# Altium PCB ZYNQ7010_AD9363.PcbDoc (part 6 of 6)
Units mil, origin at the board's own origin, x right, y up, seen from the top; angles counter-clockwise.
Board outline 2907.03 x 3814.03 mil, 4 copper layers (Top Layer, Mid-Layer 1, Mid-Layer 2, Bottom Layer); 298 components, 279 nets, 1517 pads, 915 vias.
Unrouted connection lines stored in the file: 236.
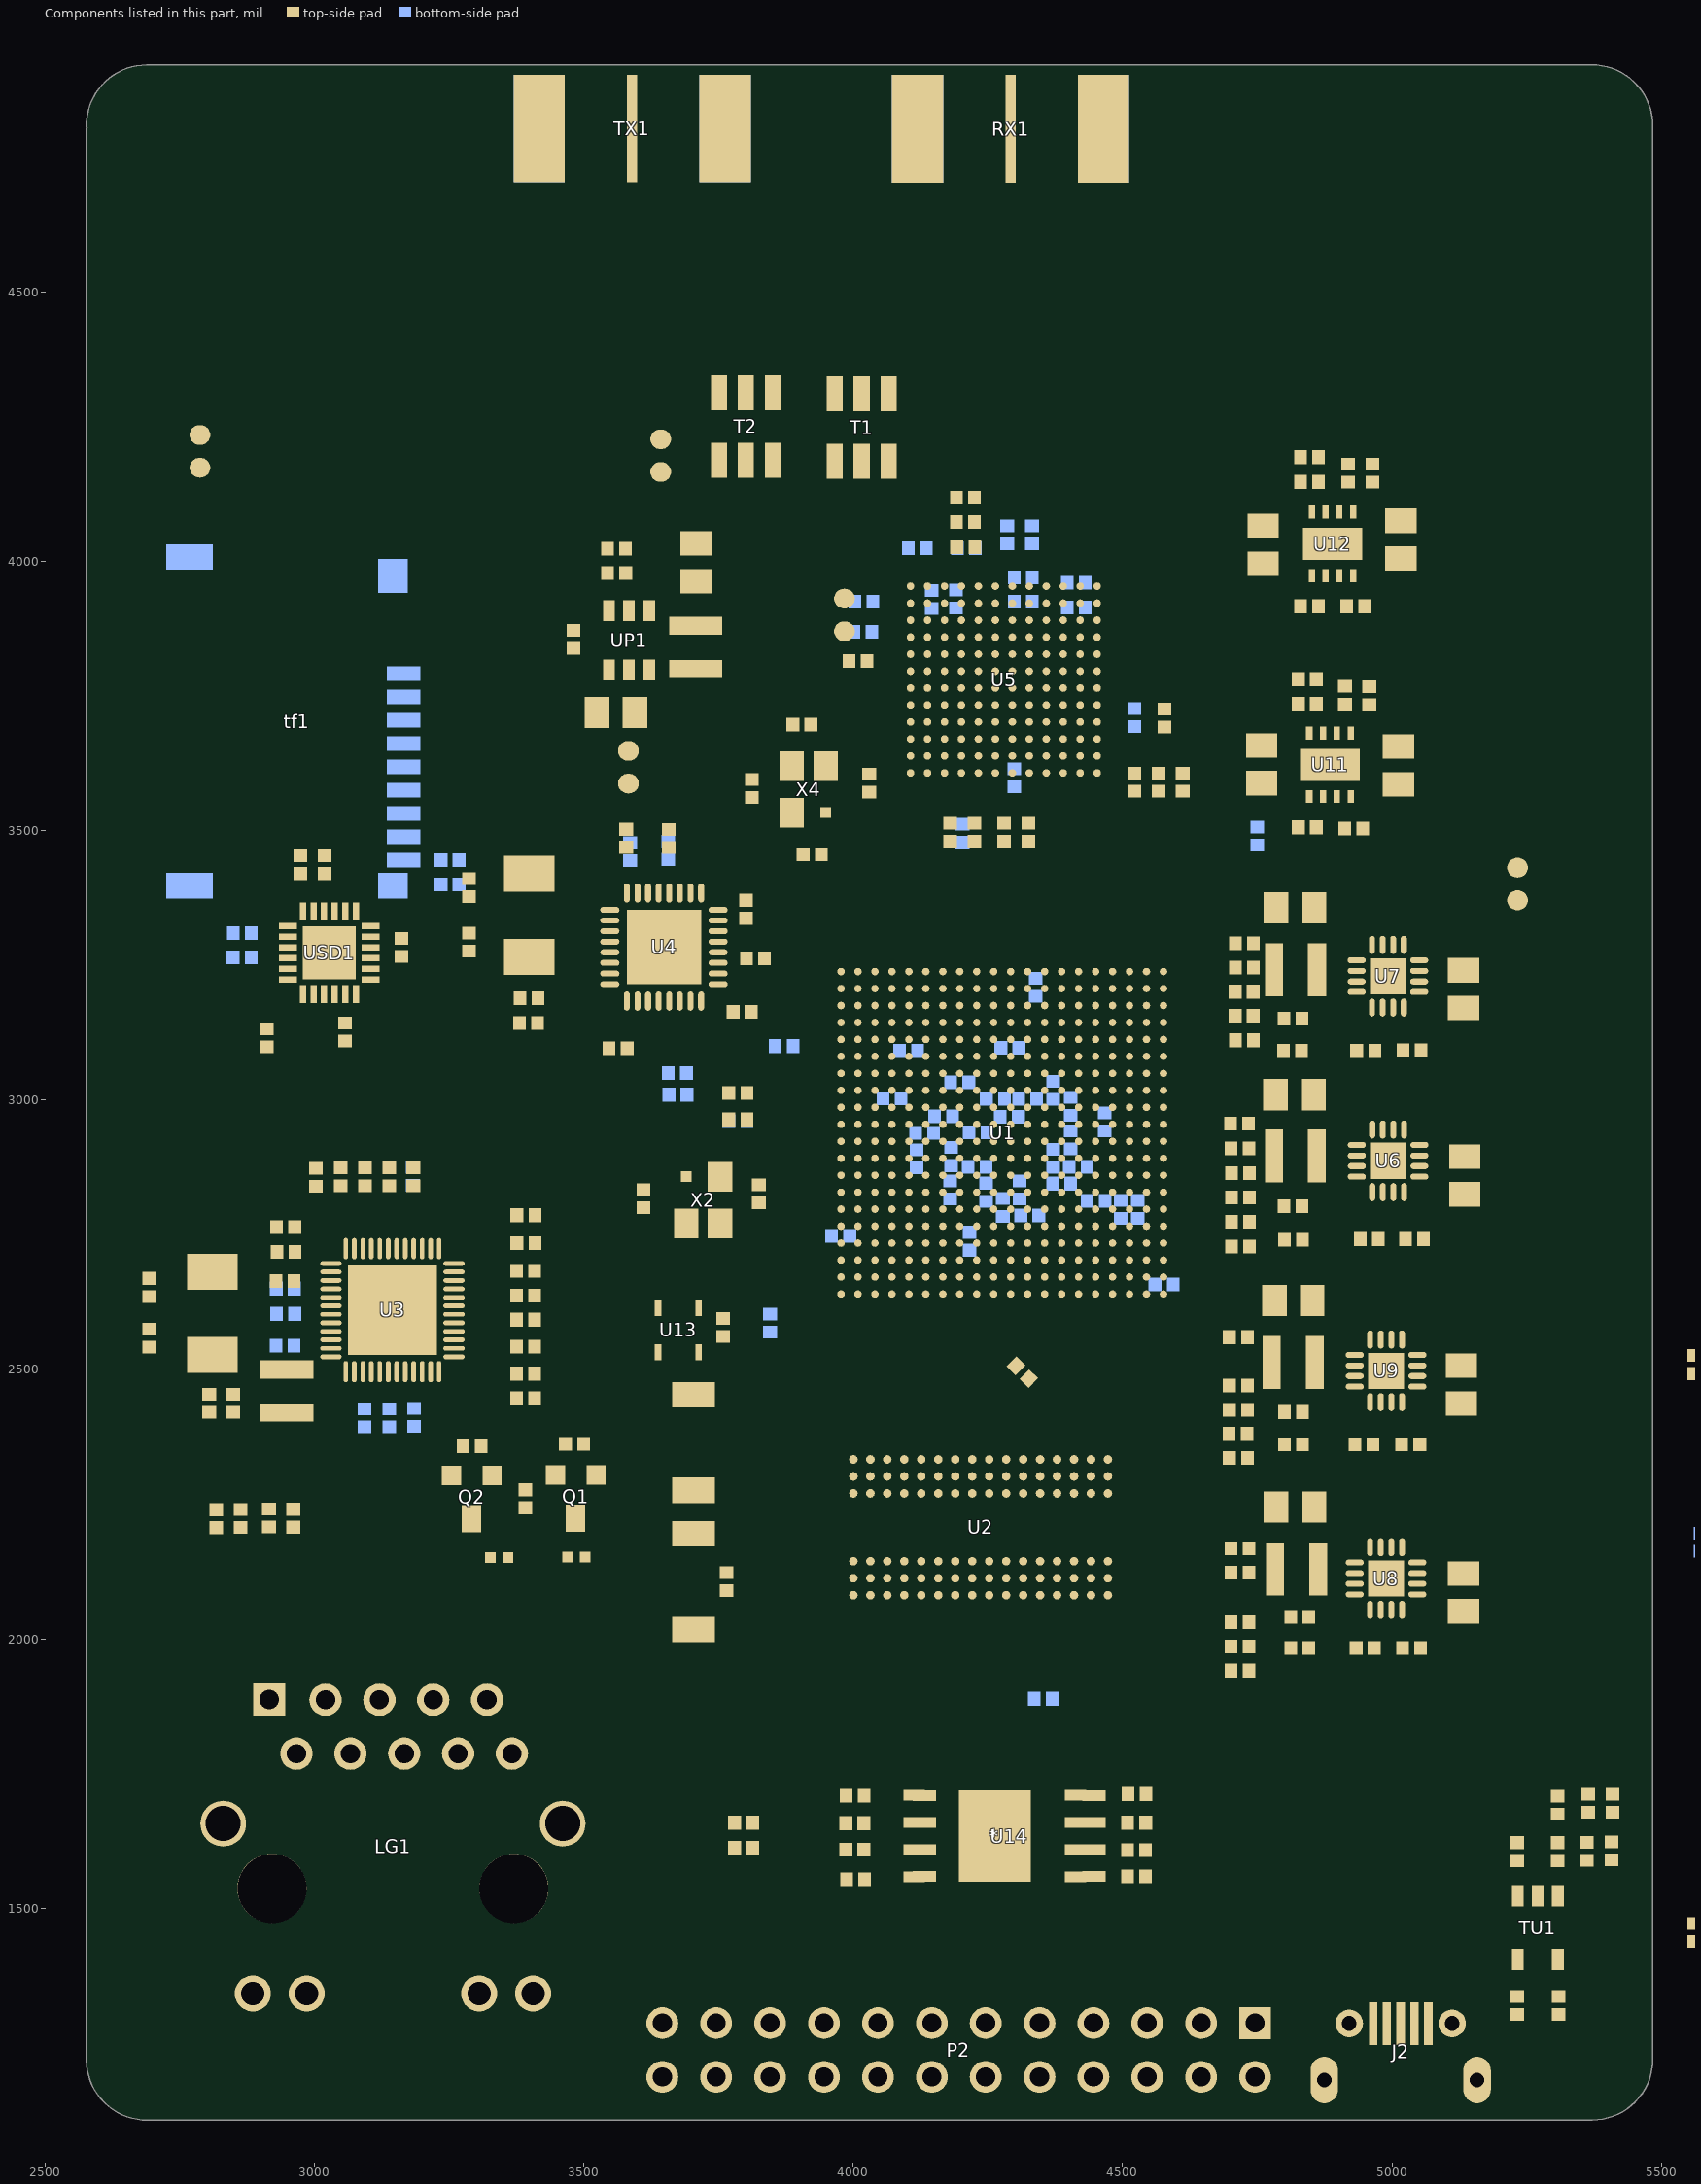
[diagram p8: the components of this part, seen from the top]

## Silkscreen, mask and mechanical layers (free items; w line width, h text height)
Top Overlay:
  lines w3: 4525,1417 4525,1481 4693,1481 4693,1417 ; 4610,1353 4442,1353 4442,1417 4610,1417 ; 4610,1353 4610,1417 ; 4610,1353 4778,1353 4778,1417 4610,1417
  lines w6: 4518,2349 4518,2604
  lines w10: 3285.2,2451.2 3352.61,2451.2
  text "ZYNQ+AD9363 SDR" at 3139,4697 h60 r270
  text "Designed by 薛定谔的猫" at 2959.8,4696 h100 r270
  text "1.3V_B" at 5210.87,3969 h80 r90
  text "1.3V_A" at 5208.87,3573 h80 r90
  text "1.8V" at 5280.07,3131 h80 r90
  text "1.0V" at 5280.11,2782 h80 r90
  text "3.3V" at 5279.11,2391 h80 r90
  text "1.5V" at 5280.11,2011 h80 r90
  text "QSPI" at 4564,1434 h30
  text "JTAG" at 4471,1370 h30
  text "SD" at 4674,1370 h30
  text "RXD" at 3764,1359 h30 r90
  text "TXD" at 3661,1358 h30 r90
  text "TCK" at 3861,1358 h30 r90
  text "TDI" at 4057,1357 h30 r90
  text "TDO" at 4160,1357 h30 r90
  text "3V3" at 4260,1357 h30 r90
  text "GND" at 4362,1357 h30 r90
  text "TMS" at 3958,1356 h30 r90
Top Solder:
  lines w19: 3590,4803 3590,4599.28 ccw(c3658.28,4599.28) 3610,4551 ccw(c3660.7,4601.7) 3660.7,4530 3737.58,4530 cw(c3737.58,4430) 3808.29,4500.71 3821.71,4487.29 cw(c3751,4416.58) 3851,4416.58 3851,4312.51 ; 4066,4311 4066,4399.58 cw(c4166,4399.58) 4095.29,4470.29 4102.71,4477.71 cw(c4173.42,4407) 4173.42,4507 4216.13,4507 ccw(c4216.13,4571.87) 4262,4526 4262.71,4526.71 ccw(c4192,4597.42) 4292,4597.42 4292,4802.5
  lines w60: 3590,4803 3590,4599.28 ccw(c3658.28,4599.28) 3610,4551 ccw(c3660.7,4601.7) 3660.7,4530 3737.58,4530 cw(c3737.58,4430) 3808.29,4500.71 3821.71,4487.29 cw(c3751,4416.58) 3851,4416.58 3851,4312.51 ; 4067.29,4308.93 4067.29,4397.51 cw(c4167.29,4397.51) 4096.58,4468.22 4104,4475.64 cw(c4174.71,4404.93) 4174.71,4504.93 4217.42,4504.93 ccw(c4217.42,4569.8) 4263.29,4523.93 4264,4524.64 ccw(c4193.29,4595.35) 4293.29,4595.35 4293.29,4800.43
Mechanical 1:
  lines w6: 2580,4795 2580,4807 cw(c2690,4808) 2689,4918 2707,4918 5370,4918 cw(c5371,4808) 5481,4809 5481,1221 cw(c5371,1220) 5372,1110 2691,1110 cw(c2690,1220) 2580,1219 2580,4802

## Text inside footprints (layer, text, board x,y; h text height)
DONE: Top Overlay "+" at 3421,2100 h30
RX1: Mechanical 37 "1" at 4304.67,4813.27 h30 r90; Mechanical 37 "5" at 4475.67,4814.74 h30 r90; Mechanical 37 "4" at 4475.67,4814.74 h30 r90; Mechanical 37 "3" at 4135.15,4809.52 h30 r90; Mechanical 37 "2" at 4135.15,4809.52 h30 r90; Mechanical 39 "CNSMARAL687W375H171" at 3978.67,5116.5 h30 r90; Mechanical 39 "200X90" at 4588.67,4908.5 h30 r90; Mechanical 39 "200X95B" at 4708.67,4924.5 h30 r90; Mechanical 39 "200X95" at 4648.67,4908.5 h30 r90; Top Component Outline "ADI/JRBL" at 4292,4732.03 h30 r180; Top Component Outline "25JUL16" at 4292,4759.63 h30 r180; Top Component Outline "QA/RGS" at 4292,5527.24 h30 r180; Top Component Outline "26JUL16" at 4292,5579.64 h30 r180; Mechanical 43 "PCB EDGE" at 4652,5286.5 h30 r90; Top Assembly "UPN" at 4292,4909.9 h30 r180; Top Assembly "N/A" at 4292,4870.5 h30 r180
RX2: Mechanical 37 "1" at 6958.67,1784.27 h30 r90; Mechanical 37 "5" at 7129.67,1785.74 h30 r90; Mechanical 37 "4" at 7129.67,1785.74 h30 r90; Mechanical 37 "3" at 6789.15,1780.52 h30 r90; Mechanical 37 "2" at 6789.15,1780.52 h30 r90; Mechanical 39 "CNSMARAL687W375H171" at 6632.67,2087.5 h30 r90; Mechanical 39 "200X90" at 7242.67,1879.5 h30 r90; Mechanical 39 "200X95B" at 7362.67,1895.5 h30 r90; Mechanical 39 "200X95" at 7302.67,1879.5 h30 r90; Top Component Outline "ADI/JRBL" at 6946,1703.03 h30 r180; Top Component Outline "25JUL16" at 6946,1730.63 h30 r180; Top Component Outline "QA/RGS" at 6946,2498.24 h30 r180; Top Component Outline "26JUL16" at 6946,2550.64 h30 r180; Mechanical 43 "PCB EDGE" at 7306,2257.5 h30 r90; Top Assembly "UPN" at 6946,1880.9 h30 r180; Top Assembly "N/A" at 6946,1841.5 h30 r180
T1: Mechanical 37 "3" at 4066,4320.99 h30; Mechanical 37 "6" at 3966,4195.99 h30; Mechanical 37 "4" at 4066,4195.99 h30; Mechanical 37 "1" at 3966,4321 h30; Mechanical 37 "5" at 4016,4196 h30; Mechanical 37 "2" at 4015.99,4321 h30; Mechanical 39 "30X65" at 4016,4153.51 h30; Mechanical 39 "TSML150W160H160" at 4016,4688.49 h30; Top Component Outline "ADI/JSM" at 3816,4335.3 h30 r90; Top Component Outline "04SEP12" at 3865.99,4335.3 h30 r90; Top Component Outline "QA/REP" at 4190.99,4322.9 h30 r90; Top Component Outline "04SEP12" at 4241,4335.3 h30 r90; Top Assembly "N/A" at 4066,4278.5 h30 r90; Top Assembly "UPN" at 4090.99,4278.5 h30 r90
T2: Mechanical 37 "2" at 3800.99,4322.51 h30; Mechanical 37 "5" at 3801,4197.51 h30; Mechanical 37 "1" at 3751,4322.51 h30; Mechanical 37 "4" at 3851,4197.5 h30; Mechanical 37 "6" at 3751,4197.5 h30; Mechanical 37 "3" at 3851,4322.5 h30; Mechanical 39 "TSML150W160H160" at 3801,4690 h30; Mechanical 39 "30X65" at 3801,4155.02 h30; Top Component Outline "04SEP12" at 4026,4336.81 h30 r90; Top Component Outline "QA/REP" at 3975.99,4324.41 h30 r90; Top Component Outline "04SEP12" at 3650.99,4336.81 h30 r90; Top Component Outline "ADI/JSM" at 3601,4336.81 h30 r90; Top Assembly "UPN" at 3875.99,4280.01 h30 r90; Top Assembly "N/A" at 3851,4280.01 h30 r90
T3: Mechanical 37 "3" at 8143,2164.5 h30; Mechanical 37 "6" at 8043,2039.5 h30; Mechanical 37 "4" at 8143,2039.5 h30; Mechanical 37 "1" at 8043,2164.51 h30; Mechanical 37 "5" at 8093,2039.51 h30; Mechanical 37 "2" at 8092.99,2164.51 h30; Mechanical 39 "30X65" at 8093,1997.02 h30; Mechanical 39 "TSML150W160H160" at 8093,2532 h30; Top Component Outline "ADI/JSM" at 7893,2178.81 h30 r90; Top Component Outline "04SEP12" at 7942.99,2178.81 h30 r90; Top Component Outline "QA/REP" at 8267.99,2166.41 h30 r90; Top Component Outline "04SEP12" at 8318,2178.81 h30 r90; Top Assembly "N/A" at 8143,2122.01 h30 r90; Top Assembly "UPN" at 8167.99,2122.01 h30 r90
T4: Mechanical 37 "3" at 10211,2164.5 h30; Mechanical 37 "6" at 10111,2039.5 h30; Mechanical 37 "4" at 10211,2039.5 h30; Mechanical 37 "1" at 10111,2164.51 h30; Mechanical 37 "5" at 10161,2039.51 h30; Mechanical 37 "2" at 10160.99,2164.51 h30; Mechanical 39 "30X65" at 10161,1997.02 h30; Mechanical 39 "TSML150W160H160" at 10161,2532 h30; Top Component Outline "ADI/JSM" at 9961,2178.81 h30 r90; Top Component Outline "04SEP12" at 10010.99,2178.81 h30 r90; Top Component Outline "QA/REP" at 10335.99,2166.41 h30 r90; Top Component Outline "04SEP12" at 10386,2178.81 h30 r90; Top Assembly "N/A" at 10211,2122.01 h30 r90; Top Assembly "UPN" at 10235.99,2122.01 h30 r90
TX1: Mechanical 37 "1" at 3602.67,4813.77 h30 r90; Mechanical 37 "5" at 3773.67,4815.24 h30 r90; Mechanical 37 "4" at 3773.67,4815.24 h30 r90; Mechanical 37 "3" at 3433.15,4810.02 h30 r90; Mechanical 37 "2" at 3433.15,4810.02 h30 r90; Mechanical 39 "CNSMARAL687W375H171" at 3276.67,5117 h30 r90; Mechanical 39 "200X90" at 3886.67,4909 h30 r90; Mechanical 39 "200X95" at 3946.67,4909 h30 r90; Mechanical 39 "200X95B" at 4006.67,4925 h30 r90; Top Component Outline "26JUL16" at 3590,5580.14 h30 r180; Top Component Outline "QA/RGS" at 3590,5527.74 h30 r180; Top Component Outline "25JUL16" at 3590,4760.13 h30 r180; Top Component Outline "ADI/JRBL" at 3590,4732.53 h30 r180; Mechanical 43 "PCB EDGE" at 3950,5287 h30 r90; Top Assembly "N/A" at 3590,4871 h30 r180; Top Assembly "UPN" at 3590,4910.4 h30 r180
TX2: Mechanical 37 "2" at 10637.15,1780.52 h30 r90; Mechanical 37 "3" at 10637.15,1780.52 h30 r90; Mechanical 37 "4" at 10977.67,1785.74 h30 r90; Mechanical 37 "5" at 10977.67,1785.74 h30 r90; Mechanical 37 "1" at 10806.67,1784.27 h30 r90; Mechanical 39 "200X95" at 11150.67,1879.5 h30 r90; Mechanical 39 "200X95B" at 11210.67,1895.5 h30 r90; Mechanical 39 "200X90" at 11090.67,1879.5 h30 r90; Mechanical 39 "CNSMARAL687W375H171" at 10480.67,2087.5 h30 r90; Top Component Outline "26JUL16" at 10794,2550.64 h30 r180; Top Component Outline "QA/RGS" at 10794,2498.24 h30 r180; Top Component Outline "25JUL16" at 10794,1730.63 h30 r180; Top Component Outline "ADI/JRBL" at 10794,1703.03 h30 r180; Mechanical 43 "PCB EDGE" at 11154,2257.5 h30 r90; Top Assembly "N/A" at 10794,1841.5 h30 r180; Top Assembly "UPN" at 10794,1880.9 h30 r180
U5: Top Overlay "A" at 4460.47,3999.6 h30 r90; Top Overlay "1" at 4505.47,3963.6 h30 r180
U6: Bottom Component Center "4" at 4934.8,2848.9 h30 r270; Bottom Component Center "3" at 4934.8,2868.6 h30 r270; Bottom Component Center "2" at 4934.8,2888.2 h30 r270; Bottom Component Center "1" at 4934.8,2907.9 h30 r270; Bottom Component Center "20" at 4992.9,2869.6 h30 r270; Bottom Component Center "15" at 4983.1,2927.7 h30 r270; Bottom Component Center "16" at 4963.4,2927.7 h30 r270; Bottom Component Center "7" at 5002.7,2820.3 h30 r270; Bottom Component Center "8" at 5022.4,2820.3 h30 r270; Bottom Component Center "6" at 4983.1,2820.3 h30 r270; Bottom Component Center "5" at 4963.4,2820.3 h30 r270; Bottom Component Center "13" at 5022.4,2927.7 h30 r270; Bottom Component Center "10" at 5051,2859.8 h30 r270; Bottom Component Center "11" at 5051,2879.4 h30 r270; Bottom Component Center "12" at 5051,2899.1 h30 r270; Bottom Component Center "14" at 5002.7,2927.7 h30 r270; Bottom Component Center "9" at 5051,2848.9 h30 r270
U7: Bottom Component Center "4" at 4934.4,3191.6 h30 r270; Bottom Component Center "3" at 4934.4,3211.3 h30 r270; Bottom Component Center "2" at 4934.4,3230.9 h30 r270; Bottom Component Center "1" at 4934.4,3250.6 h30 r270; Bottom Component Center "20" at 4992.5,3212.3 h30 r270; Bottom Component Center "15" at 4982.7,3270.4 h30 r270; Bottom Component Center "16" at 4963,3270.4 h30 r270; Bottom Component Center "7" at 5002.3,3163 h30 r270; Bottom Component Center "8" at 5022,3163 h30 r270; Bottom Component Center "6" at 4982.7,3163 h30 r270; Bottom Component Center "5" at 4963,3163 h30 r270; Bottom Component Center "13" at 5022,3270.4 h30 r270; Bottom Component Center "10" at 5050.6,3202.5 h30 r270; Bottom Component Center "11" at 5050.6,3222.1 h30 r270; Bottom Component Center "12" at 5050.6,3241.8 h30 r270; Bottom Component Center "14" at 5002.3,3270.4 h30 r270; Bottom Component Center "9" at 5050.6,3191.6 h30 r270
U8: Bottom Component Center "7" at 4998.8,2045.1 h30 r270; Bottom Component Center "8" at 5018.5,2045.1 h30 r270; Bottom Component Center "6" at 4979.2,2045.1 h30 r270; Bottom Component Center "5" at 4959.5,2045.1 h30 r270; Bottom Component Center "13" at 5018.5,2152.5 h30 r270; Bottom Component Center "10" at 5047.1,2084.6 h30 r270; Bottom Component Center "11" at 5047.1,2104.2 h30 r270; Bottom Component Center "12" at 5047.1,2123.9 h30 r270; Bottom Component Center "14" at 4998.8,2152.5 h30 r270; Bottom Component Center "9" at 5047.1,2073.7 h30 r270; Bottom Component Center "16" at 4959.5,2152.5 h30 r270; Bottom Component Center "15" at 4979.2,2152.5 h30 r270; Bottom Component Center "20" at 4989,2094.4 h30 r270; Bottom Component Center "1" at 4930.9,2132.7 h30 r270; Bottom Component Center "2" at 4930.9,2113 h30 r270; Bottom Component Center "3" at 4930.9,2093.4 h30 r270; Bottom Component Center "4" at 4930.9,2073.7 h30 r270
U9: Bottom Component Center "16" at 4959.6,2538 h30 r270; Bottom Component Center "15" at 4979.3,2538 h30 r270; Bottom Component Center "20" at 4989.1,2479.9 h30 r270; Bottom Component Center "1" at 4931,2518.2 h30 r270; Bottom Component Center "2" at 4931,2498.5 h30 r270; Bottom Component Center "3" at 4931,2478.9 h30 r270; Bottom Component Center "4" at 4931,2459.2 h30 r270; Bottom Component Center "9" at 5047.2,2459.2 h30 r270; Bottom Component Center "14" at 4998.9,2538 h30 r270; Bottom Component Center "12" at 5047.2,2509.4 h30 r270; Bottom Component Center "11" at 5047.2,2489.7 h30 r270; Bottom Component Center "10" at 5047.2,2470.1 h30 r270; Bottom Component Center "13" at 5018.6,2538 h30 r270; Bottom Component Center "5" at 4959.6,2430.6 h30 r270; Bottom Component Center "6" at 4979.3,2430.6 h30 r270; Bottom Component Center "8" at 5018.6,2430.6 h30 r270; Bottom Component Center "7" at 4998.9,2430.6 h30 r270
U13: Bottom Component Center "3" at 3638,2522.9 h30 r180; Bottom Component Center "4" at 3713,2522.9 h30 r180; Bottom Component Center "1" at 3713,2605.5 h30 r180; Bottom Component Center "2" at 3638,2605.5 h30 r180
U14: Bottom Component Center "6" at 4123.05,1659 h30 r180; Bottom Component Center "3" at 4438.05,1659 h30 r180; Bottom Component Center "7" at 4123.05,1609 h30 r180; Bottom Component Center "8" at 4123.05,1559 h30 r180; Bottom Component Center "4" at 4438.05,1709 h30 r180; Bottom Component Center "1" at 4438.05,1559 h30 r180; Bottom Component Center "2" at 4438.05,1609 h30 r180; Bottom Component Center "5" at 4123.05,1709 h30 r180
USR_LED: Top Overlay "+" at 3277.14,2099 h30